# Allegro board IMC-IO_A-IN_A2.brd (continued)
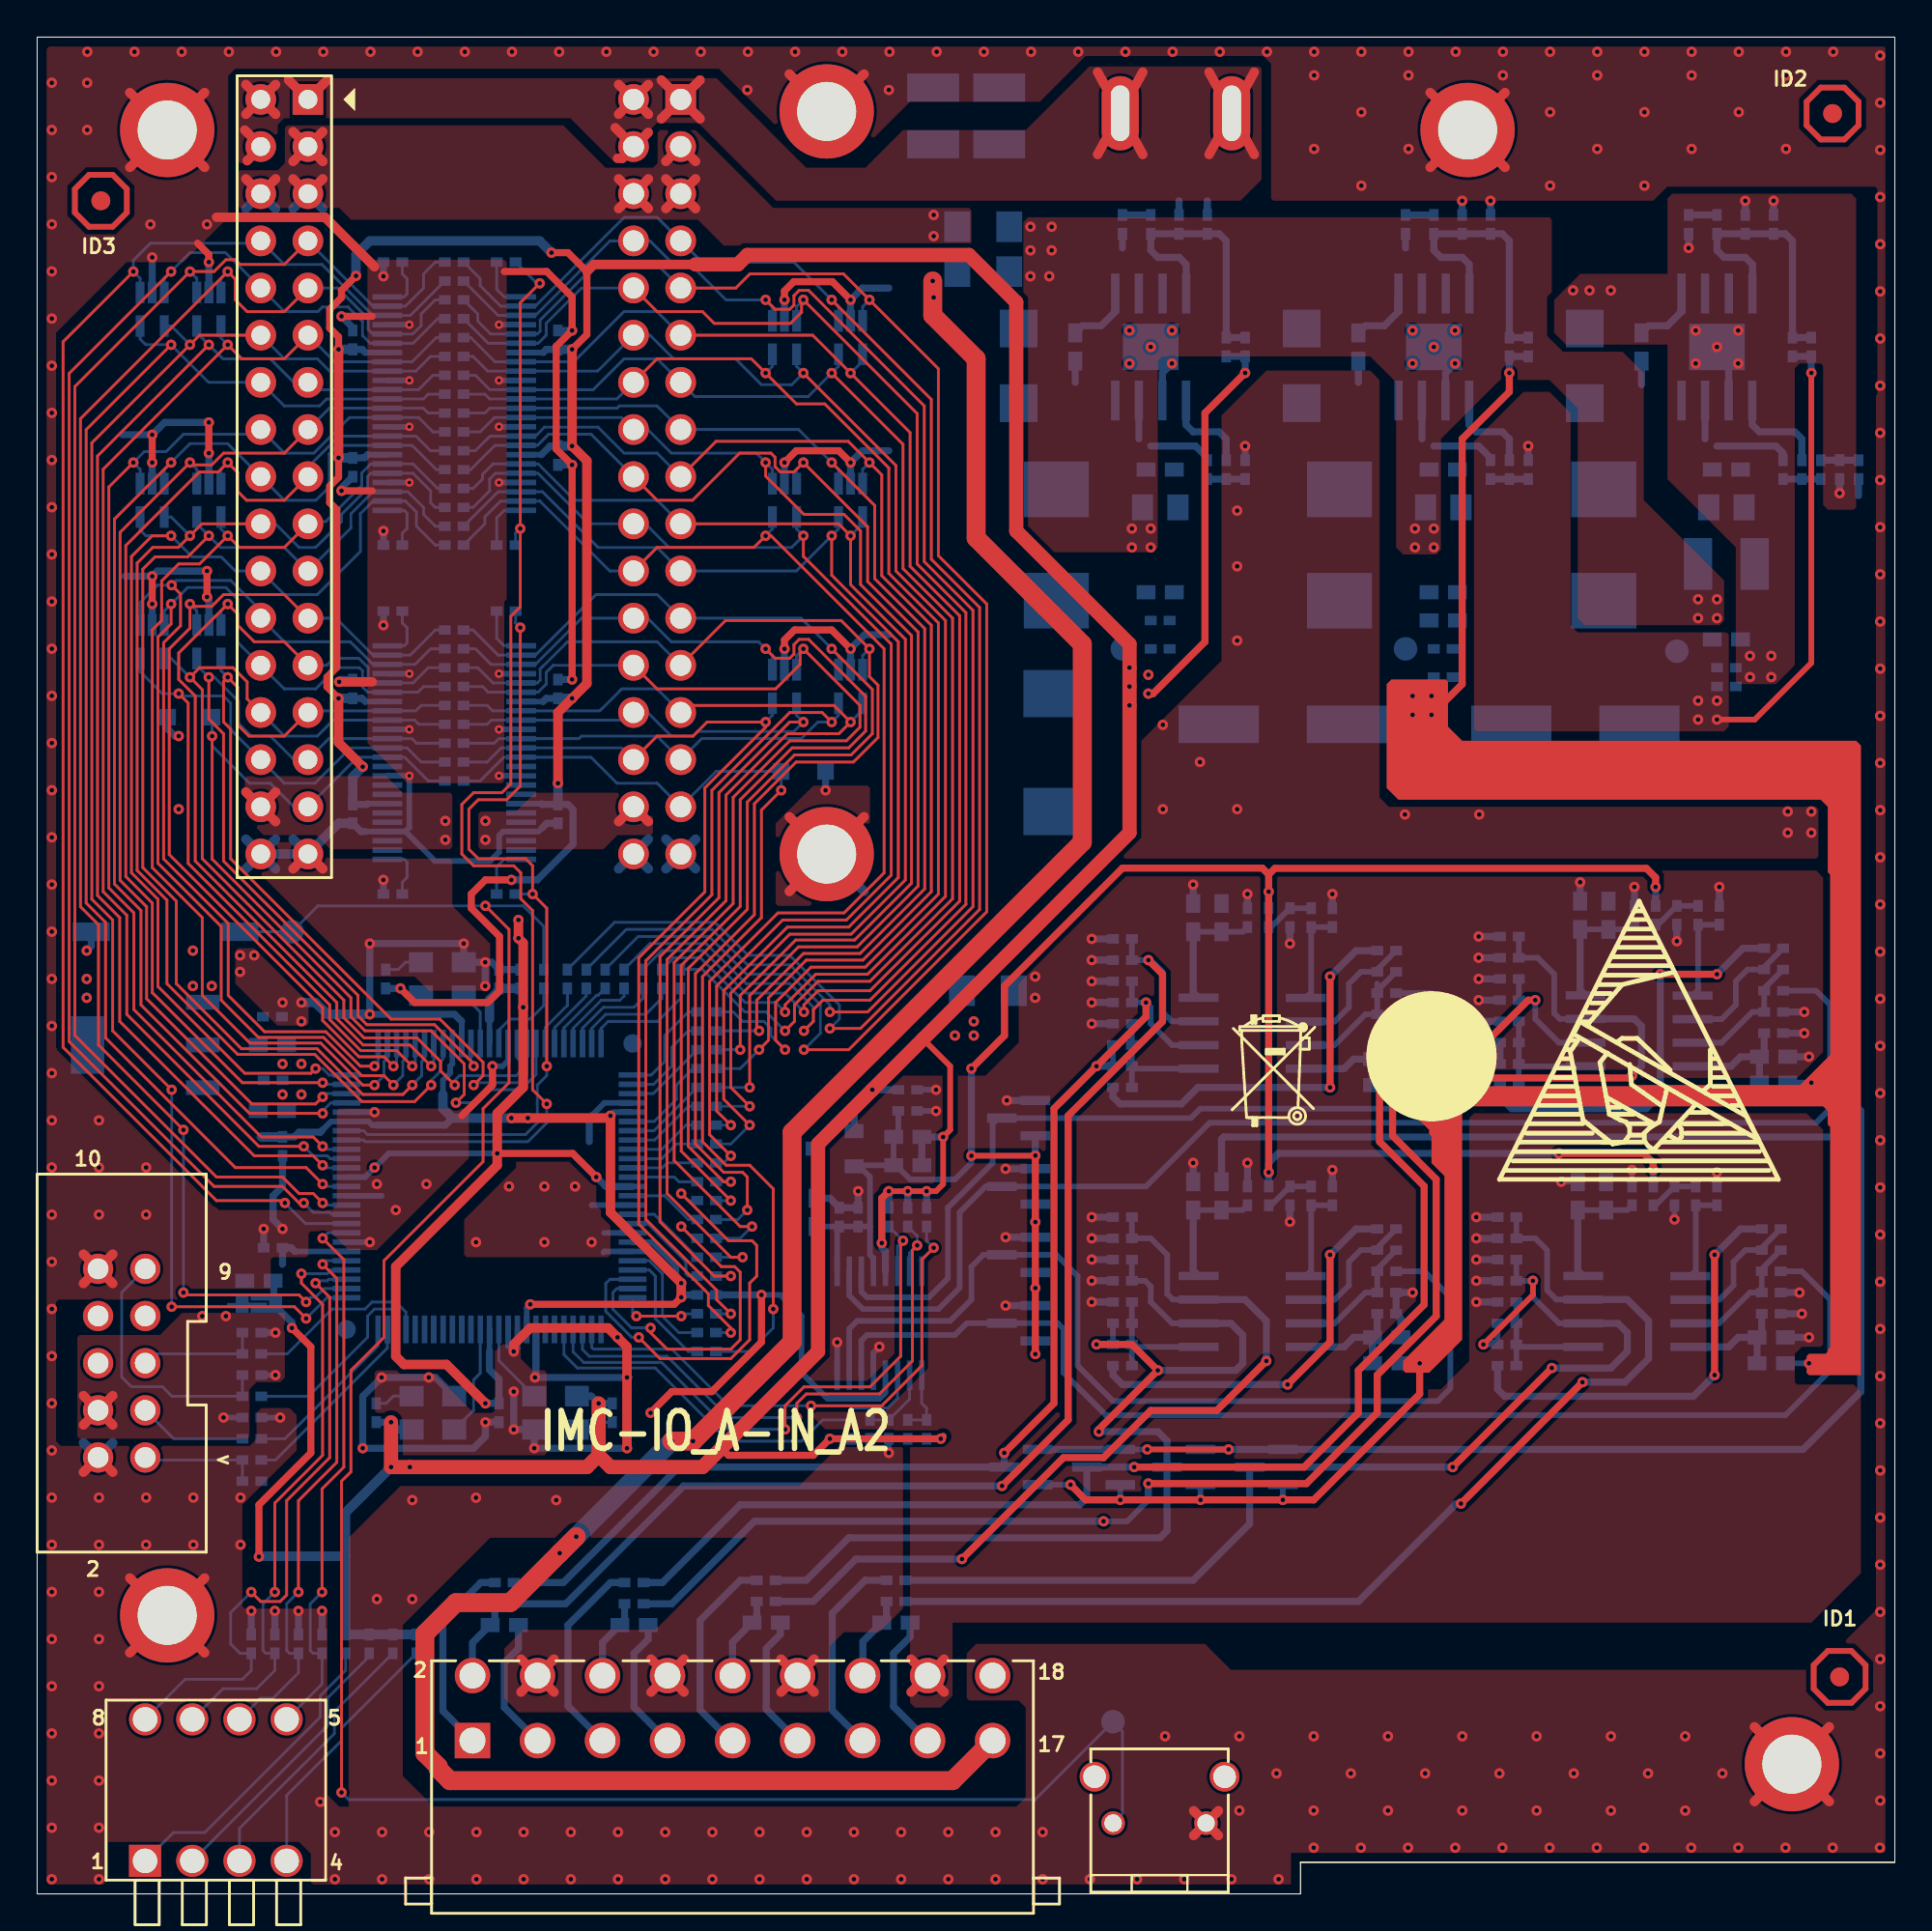
[diagram p0: board, top side]
## Footprints (pads in the part's own frame, mm; a bottom-side part is the same pattern mirrored in y, then rotated)
AEC8_5X8_5-H10_5
  rect 4.318x2.032 smd: 1(-3.45,0) 2(3.45,0)
BUTTON_SPST_SMT
  rect 1.999x1.001 smd: 1(-4.201,0) 2(3.8,0)
C0402
  rect 0.64x0.51 smd: 1(-0.508,0) 2(0.508,0)
C0603
  rect 1.016x0.762 smd: 1(-0.762,0) 2(0.762,0)
C0805
  rect 1.143x1.397 smd: 1(-0.953,0) 2(0.953,0)
C1210
  rect 1.524x2.794 smd: 1(-1.524,0) 2(1.524,0)
CAP_CASE_D
  rect 2.54x3.556 smd: 1(3.175,0) 2(-3.175,0)
CON18-3_5-34_3X13_6-H15_2
  rect 1.905x1.905 hole 1.397: 1(-14,-1.905)
  round 1.905 hole 1.397: 2(-14,1.595) 3(-10.5,-1.905) 4(-10.5,1.595) 5(-7,-1.905) 6(-7,1.595) 7(-3.5,-1.905) 8(-3.5,1.595) 9(0,-1.905) 10(0,1.595) 11(3.5,-1.905) 12(3.5,1.595) 13(7,-1.905) 14(7,1.595) 15(10.5,-1.905) 16(10.5,1.595) 17(14,-1.905) 18(14,1.595)
CON_2D54_2X5_TH_BOX
  round 1.626 hole 1.118: 1(5.08,1.27) 2(5.08,-1.27) 3(2.54,1.27) 4(2.54,-1.27) 5(0,1.27) 6(0,-1.27) 7(-2.54,1.27) 8(-2.54,-1.27) 9(-5.08,1.27) 10(-5.08,-1.27)
CON_BUTTON_SPST_TH_90
  round 1.27 hole 0.94: 1(-2.5,0) 2(2.5,0)
  round 1.6 hole 1.219: 3(3.5,2.5) 4(-3.5,2.5)
FEMALE_HEADER_17X2P_254MM
  rect 1.651x1.651 hole 1.016: 1(0,0)
  round 1.651 hole 1.016: 2(-2.54,0) 3(0,-2.54) 4(-2.54,-2.54) 5(0,-5.08) 6(-2.54,-5.08) 7(0,-7.62) 8(-2.54,-7.62) 9(0,-10.16) 10(-2.54,-10.16) 11(0,-12.7) 12(-2.54,-12.7) 13(0,-15.24) 14(-2.54,-15.24) 15(0,-17.78) 16(-2.54,-17.78) 17(0,-20.32) 18(-2.54,-20.32) 19(0,-22.86) 20(-2.54,-22.86) 21(0,-25.4) 22(-2.54,-25.4) 23(0,-27.94) 24(-2.54,-27.94) 25(0,-30.48) 26(-2.54,-30.48) 27(0,-33.02) 28(-2.54,-33.02) 29(0,-35.56) 30(-2.54,-35.56) 31(0,-38.1) 32(-2.54,-38.1) 33(0,-40.64) 34(-2.54,-40.64)
HD2X17-2_54-50_8X9_1MM-S
  rect 1.651x1.651 hole 1.143: 1(-20.32,-1.27)
  round 1.651 hole 1.143: 2(-20.32,1.27) 3(-17.78,-1.27) 4(-17.78,1.27) 5(-15.24,-1.27) 6(-15.24,1.27) 7(-12.7,-1.27) 8(-12.7,1.27) 9(-10.16,-1.27) 10(-10.16,1.27) 11(-7.62,-1.27) 12(-7.62,1.27) 13(-5.08,-1.27) 14(-5.08,1.27) 15(-2.54,-1.27) 16(-2.54,1.27) 17(0,-1.27) 18(0,1.27) 19(2.54,-1.27) 20(2.54,1.27) 21(5.08,-1.27) 22(5.08,1.27) 23(7.62,-1.27) 24(7.62,1.27) 25(10.16,-1.27) 26(10.16,1.27) 27(12.7,-1.27) 28(12.7,1.27) 29(15.24,-1.27) 30(15.24,1.27) 31(17.78,-1.27) 32(17.78,1.27) 33(20.32,-1.27) 34(20.32,1.27)
L7D3X6D6X2D8MM
  rect 3x3.5 smd: 1(-3,0) 2(3,0)
L0603
  rect 1.016x0.762 smd: 1(-0.762,0) 2(0.762,0)
METAL_DOME
  oval 2x4 hole 1x3: 1(0,0) 2(6,0)
MHOLE_C200D125
  round 5.08 hole 3.175: 1(0,0)
QFP_100P_50_1600X1600X160
  round 1 smd: (-7.7,-7.7) (7.7,7.7)
  rect 1.5x0.3 smd: 1(-7.7,6) 2(-7.7,5.5) 3(-7.7,5) 4(-7.7,4.5) 5(-7.7,4) 6(-7.7,3.5) 7(-7.7,3) 8(-7.7,2.5) 9(-7.7,2) 10(-7.7,1.5) 11(-7.7,1) 12(-7.7,0.5) 13(-7.7,0) 14(-7.7,-0.5) 15(-7.7,-1) 16(-7.7,-1.5) 17(-7.7,-2) 18(-7.7,-2.5) 19(-7.7,-3) 20(-7.7,-3.5) 21(-7.7,-4) 22(-7.7,-4.5) 23(-7.7,-5) 24(-7.7,-5.5) 25(-7.7,-6) 51(7.7,-6) 52(7.7,-5.5) 53(7.7,-5) 54(7.7,-4.5) 55(7.7,-4) 56(7.7,-3.5) 57(7.7,-3) 58(7.7,-2.5) 59(7.7,-2) 60(7.7,-1.5) 61(7.7,-1) 62(7.7,-0.5) 63(7.7,0) 64(7.7,0.5) 65(7.7,1) 66(7.7,1.5) 67(7.7,2) 68(7.7,2.5) 69(7.7,3) 70(7.7,3.5) 71(7.7,4) 72(7.7,4.5) 73(7.7,5) 74(7.7,5.5) 75(7.7,6)
  rect 0.3x1.5 smd: 26(-6,-7.7) 27(-5.5,-7.7) 28(-5,-7.7) 29(-4.5,-7.7) 30(-4,-7.7) 31(-3.5,-7.7) 32(-3,-7.7) 33(-2.5,-7.7) 34(-2,-7.7) 35(-1.5,-7.7) 36(-1,-7.7) 37(-0.5,-7.7) 38(0,-7.7) 39(0.5,-7.7) 40(1,-7.7) 41(1.5,-7.7) 42(2,-7.7) 43(2.5,-7.7) 44(3,-7.7) 45(3.5,-7.7) 46(4,-7.7) 47(4.5,-7.7) 48(5,-7.7) 49(5.5,-7.7) 50(6,-7.7) 76(6,7.7) 77(5.5,7.7) 78(5,7.7) 79(4.5,7.7) 80(4,7.7) 81(3.5,7.7) 82(3,7.7) 83(2.5,7.7) 84(2,7.7) 85(1.5,7.7) 86(1,7.7) 87(0.5,7.7) 88(0,7.7) 89(-0.5,7.7) 90(-1,7.7) 91(-1.5,7.7) 92(-2,7.7) 93(-2.5,7.7) 94(-3,7.7) 95(-3.5,7.7) 96(-4,7.7) 97(-4.5,7.7) 98(-5,7.7) 99(-5.5,7.7) 100(-6,7.7)
R0402
  rect 0.64x0.51 smd: 1(-0.508,0) 2(0.508,0)
R0603
  rect 1.016x0.762 smd: 1(-0.762,0) 2(0.762,0)
R1206
  rect 1.397x1.651 smd: 1(-1.397,0) 2(1.397,0)
SH0603
  rect 0.15x0.9 smd: 1(-0.8,0) 2(0.8,0)
SMA
  rect 2.032x2.032 smd: 1(-2.007,0) 2(2.007,0)
SMD_3225
  rect 1.3x1.1 smd: 1(-1.15,-0.9) 2(1.15,-0.9) 3(1.15,0.9) 4(-1.15,0.9)
SOD323
  rect 0.889x0.889 smd: 1(-1.194,0) 2(1.194,0)
SON8_DDA8
  rect 2.149x0.45 smd: 1(-2.88,1.91) 2(-2.88,0.64) 3(-2.88,-0.64) 4(-2.88,-1.91) 5(2.88,-1.9) 6(2.88,-0.63) 7(2.88,0.64) 8(2.88,1.91)
  rect 2.499x3 smd: 9(0,0)
SOP_8P_127_500X600X175
  rect 2.149x0.45 smd: 1(-2.88,1.91) 2(-2.88,0.64) 3(-2.88,-0.64) 4(-2.88,-1.91) 5(2.88,-1.9) 6(2.88,-0.63) 7(2.88,0.64) 8(2.88,1.91)
SOT23-3_DBZ3
  rect 1.6x0.5 smd: 1(0.9,-0.95) 2(0.9,0.95) 3(-0.9,0)
SOT23_3P_304X264X112
  rect 0.762x1.016 smd: 1(-0.95,-1.05) 2(0.95,-1.05) 3(0,1.05)
SOT223-4_DCY4
  rect 1.8x0.8 smd: 1(-3.1,2.3) 2(-3.1,0) 3(-3.1,-2.3)
  rect 1.8x3.1 smd: 4(3.1,0)
SOT353
  rect 0.483x1.168 smd: 1(-0.65,-0.9) 2(0,-0.9) 3(0.65,-0.9) 4(0.65,0.9) 5(-0.65,0.9)
SW8-2_54-11_82X12_1-H9_7
  rect 1.727x1.727 hole 1.321: 1(-3.81,-3.81)
  round 1.727 hole 1.321: 2(-1.27,-3.81) 3(1.27,-3.81) 4(3.81,-3.81) 5(3.81,3.81) 6(1.27,3.81) 7(-1.27,3.81) 8(-3.81,3.81)
TP50
  round 1.27 smd: 1(0,0)
TSSOP48_DGG48
  rect 1.6x0.3 smd: 1(-3.6,5.75) 2(-3.6,5.25) 3(-3.6,4.75) 4(-3.6,4.25) 5(-3.6,3.75) 6(-3.6,3.25) 7(-3.6,2.75) 8(-3.6,2.25) 9(-3.6,1.75) 10(-3.6,1.25) 11(-3.6,0.75) 12(-3.6,0.25) 13(-3.6,-0.25) 14(-3.6,-0.75) 15(-3.6,-1.25) 16(-3.6,-1.75) 17(-3.6,-2.25) 18(-3.6,-2.75) 19(-3.6,-3.25) 20(-3.6,-3.75) 21(-3.6,-4.25) 22(-3.6,-4.75) 23(-3.6,-5.25) 24(-3.6,-5.75) 25(3.6,-5.75) 26(3.6,-5.25) 27(3.6,-4.75) 28(3.6,-4.25) 29(3.6,-3.75) 30(3.6,-3.25) 31(3.6,-2.75) 32(3.6,-2.25) 33(3.6,-1.75) 34(3.6,-1.25) 35(3.6,-0.75) 36(3.6,-0.25) 37(3.6,0.25) 38(3.6,0.75) 39(3.6,1.25) 40(3.6,1.75) 41(3.6,2.25) 42(3.6,2.75) 43(3.6,3.25) 44(3.6,3.75) 45(3.6,4.25) 46(3.6,4.75) 47(3.6,5.25) 48(3.6,5.75)
TSSOP_16P_65_633X790X199MM
  rect 1.6x0.3 smd: 1(-2.8,2.275) 2(-2.8,1.625) 3(-2.8,0.975) 4(-2.8,0.325) 5(-2.8,-0.325) 6(-2.8,-0.975) 7(-2.8,-1.625) 8(-2.8,-2.275) 9(2.8,-2.275) 10(2.8,-1.625) 11(2.8,-0.975) 12(2.8,-0.325) 13(2.8,0.325) 14(2.8,0.975) 15(2.8,1.625) 16(2.8,2.275)
unnamed#2
  round 1.016 smd: 1(0,0)

## Nets
AGND: C88.1 C89.2 C90.2 C91.2 C92.2 C93.2 C94.2 C96.2 C97.2 C98.2 C99.2 C100.2 C101.2 C102.2 C103.2 C105.2 C106.2 C107.2 C108.2 C109.2 C110.2 C111.2 C112.2 C114.2 C115.2 C116.2 C117.2 C118.2 C119.2 C120.2 C121.2 C123.2 C124.2 C125.2 C126.2 C127.2 C128.2 D24.1 D26.1 D28.1 D30.1 J2.16 R209.1 R214.2 R220.2 R221.2 R223.2 R228.2 R234.2 R235.2 R237.2 R242.2 R248.2 R249.2 R251.2 R256.2 R262.2 R263.2 R265.2 U25.3(GND) U26.5(AGND) U26.8(REFN)
GND: C2.2 C4.2 C5.2 C6.2 C7.2 C8.2 C9.2 C11.2 C12.2 C13.2 C14.2 C15.2 C16.2 C17.2 C18.2 C19.2 C20.2 C21.2 C22.2 C23.2 C24.2 C25.2 C26.2 C27.2 C28.2 C29.2 C62.2 C63.2 C65.2 C67.2 C70.2 C71.2 C72.2 C73.2 C75.2 C76.1 C80.2 C81.1 C82.1 C83.1 C84.2 C85.2 C86.2 C87.1 CON1.2 CON1.10 D1.1(ANODE) D18.2 D19.2 D20.1(ANODE) H1.1 H2.1 H3.1 H4.1 H5.1 H6.1 J2.4 J2.8 J2.12 J3.33 J3.34 J4.33 J4.34 L3.2 OSC1.2(GND) OSC2.2(GND) OSC3.2(GND) P1.8(GND#8) P1.10(GND#10) P1.11(GND#11) P1.32(GND#32) P1.37(GND#37) P1.46(GND#46) P1.60(GND#60) P1.65(GND#65) P1.79(GND#79) P1.90(GND#90) P1.93(GND#93) P1.95(GND#95) R4.2 R5.2 R6.2 R9.2 R42.2 R43.2 R44.2 R45.2 R134.1 R137.1 R139.1 R141.1 R162.2 R163.2 R164.2 R167.1 R173.1 R207.1 R208.1 R209.2 RST1.2 SW1.1 TP5.1 U1.6(GND) U1.9(PWPD) U2.1(GND/ADJ) U7.4(GND#4) U7.10(GND#10) U7.15(GND#15) U7.21(GND#21) U7.28(GND#28) U7.34(GND#34) U7.39(GND#39) U7.45(GND#45) U8.4(GND#4) U8.10(GND#10) U8.15(GND#15) U8.21(GND#21) U8.28(GND#28) U8.34(GND#34) U8.39(GND#39) U8.45(GND#45) U9.2 U10.2 U11.2 U12.2 U13.2 U14.2 U15.2 U16.2 U17.2 U18.2 U19.2 U20.2 U22.6(GND) U22.9(PWPD) U26.4(DGND)
GND_24V: C62.1 C63.1 J3.1 J3.2 J3.4 J4.1 J4.2 J4.4 J5.1 J5.2
VDD_1V8: C13.1 C14.1 C18.1 C19.1 C20.1 P1.13(VCCINT#13) P1.39(VCCINT#39) P1.63(VCCINT#63) P1.88(VCCINT#88) U2.2(VOUT) U2.4(TAB)
VDD_3V3: C2.1 C3.1 C4.1 C5.1 C6.1 C22.1 C23.1 C24.1 C25.1 C26.1 C27.1 C28.1 C29.1 C88.2 D22.1 FB1.1 FB2.1 L1.2 OSC1.4(VDD) OSC2.4(VDD) OSC3.4(VDD) R1.1 R35.1 R36.2 R37.2 R38.2 R39.1 R40.1 R41.1 R201.1 R202.1 R203.1 R204.1 R205.2 R206.1 SH2.1 TP1.1 U7.7(VCCB#7) U7.18(VCCB#18) U7.31(VCCA#31) U7.42(VCCA#42) U8.7(VCCB#7) U8.18(VCCB#18) U8.31(VCCA#31) U8.42(VCCA#42) U25.1(IN) U26.13(DVDD)
VDD_3V3_FPGA: C11.1 C12.1 C15.1 C16.1 C17.1 C21.1 CON1.4 D22.2 P1.9(VCCIO1#9) P1.31(VCCIO1#31) P1.45(VCCIO1#45) P1.59(VCCIO2#59) P1.80(VCCIO2#80) P1.94(VCCIO2#94) R7.2 R8.2 SH2.2 U2.3(VIN)
VDD_5V_MAIN: J3.32 J4.32
VDD_24V: J3.3 J3.5 J3.6 J4.3 J4.5 J4.6 R199.1
VDD_24V_IO: J2.17 R200.1
VDD_24V_MAIN: C7.1 C9.1 C65.1 C70.1 C75.1 C80.1 C84.1 R2.1 R160.1 R166.1 R199.2 R200.2 U1.7(VIN) U22.7(VIN) U24.7(VIN)
VDD_+12V: C66.1 C71.1 C72.1 C73.1 C85.1 C86.1 D23.2 D25.2 D27.2 D29.2 FB4.2 FB6.2 FB8.2 FB10.2 L2.2 R161.1 TP4.1
VDD_-12V: C77.2 C81.2 C82.2 C83.2 C87.2 D21.1(ANODE) D23.1 D25.1 D27.1 D29.1 FB3.2 FB5.2 FB7.2 FB9.2 R168.2 R169.2 R172.2 U24.6(GND) U24.9(PWPD)
VIN0+: J2.1 R212.2
VIN1+: J2.5 R226.2
VIN2+: J2.9 R240.2
VIN3+: J2.13 R254.2
1DIR: P1.43(IO_1_43/DEV_OE/DIFFIO_B7P) R145.1 R147.1
2DIR: P1.44(IO_1_44/DEV_CLRN/DIFFIO_B7N) R140.1 R148.1
12MHZ: OSC1.3(OUT) P1.12(IO_1_12/CLK0)
25MHZ: OSC2.3(OUT) P1.14(IO_1_14/CLK1)
48MHZ: OSC3.3(OUT) P1.62(IO_2_62/CLK2)
ADC_DRDY: P1.4(IO_1_4/DIFFIO_L2P) R204.2 U26.14(D\R\D\Y\)
ADC_RST: P1.5(IO_1_5/DIFFIO_L2N) R203.2 U26.3(R\E\S\E\T\)
ADC_SCL: P1.2(IO_1_2/DIFFIO_L1P) R201.2 U26.16(SCL)
ADC_SDA: P1.3(IO_1_3/DIFFIO_L1N) R202.2 U26.15(SDA)
AIN0: D24.3 R216.1 U26.11(AIN0)
AIN1: D26.3 R230.1 U26.10(AIN1)
AIN2: D28.3 R244.1 U26.7(AIN2)
AIN3: D30.3 R258.1 U26.6(AIN3)
COM: J2.18
DEV_ADD0: P1.28(IO_1_28/DIFFIO_B2P) R45.1 SW2.8(B5)
DEV_ADD1: P1.29(IO_1_29/DIFFIO_B2N) R44.1 SW2.7(B6)
DEV_ADD2: P1.30(IO_1_30) R43.1 SW2.6(A6)
DEV_ADD3: P1.33(IO_1_33/DIFFIO_B3P) R42.1 SW2.5(A5)
EX_ADD0: J4.26 R20.2 R153.2 U8.6(1B4) U20.3
EX_ADD1: J4.27 R22.2 R154.2 U8.8(1B5) U19.4
EX_ADD2: J4.28 R24.2 R155.2 U8.9(1B6) U20.4
EX_ADD3: J4.29 R26.2 R156.2 U8.11(1B7) U19.5
EX_ADD4: J4.30 R28.2 R157.2 U8.12(1B8) U20.5
EX_ADD5: D19.1 J4.31 R30.2 R158.2 U8.13(2B1)
EX_CS: J4.23 R17.2 R150.2 U8.2(1B1) U19.1
EX_DATA0: J4.7 R21.2 R126.2 U7.2(1B1) U11.1
EX_DATA1: J4.8 R23.2 R127.2 U7.3(1B2) U12.1
EX_DATA2: J4.9 R25.2 R128.2 U7.5(1B3) U11.3
EX_DATA3: J4.10 R27.2 R129.2 U7.6(1B4) U12.3
EX_DATA4: J4.11 R29.2 R130.2 U7.8(1B5) U11.4
EX_DATA5: J4.12 R31.2 R131.2 U7.9(1B6) U12.4
EX_DATA6: J4.13 R32.2 R132.2 U7.11(1B7) U11.5
EX_DATA7: J4.14 R33.2 R133.2 U7.12(1B8) U12.5
EX_DATA8: J4.15 R34.2 R135.2 U7.13(2B1) U15.1
EX_DATA9: J4.16 R10.2 R136.2 U7.14(2B2) U16.1
EX_DATA10: J4.17 R11.2 R138.2 U7.16(2B3) U15.3
EX_DATA11: J4.18 R12.2 R142.2 U7.17(2B4) U16.3
EX_DATA12: J4.19 R13.2 R143.2 U7.19(2B5) U15.4
EX_DATA13: J4.20 R14.2 R144.2 U7.20(2B6) U16.4
EX_DATA14: J4.21 R15.2 R146.2 U7.22(2B7) U15.5
EX_DATA15: J4.22 R16.2 R149.2 U7.23(2B8) U16.5
EX_RD: J4.24 R18.2 R151.2 U8.3(1B2) U20.1
EX_WR: J4.25 R19.2 R152.2 U8.5(1B3) U19.3
F_EX_ADD0: J3.26 P1.54(IO_2_54/DIFFIO_R6P) R153.1 U8.43(1A4) U18.3
F_EX_ADD1: J3.27 P1.67(IO_2_67/DIFFIO_R3P) R154.1 U8.41(1A5) U17.4
F_EX_ADD2: J3.28 P1.66(IO_2_66/DIFFIO_R3N) R155.1 U8.40(1A6) U18.4
F_EX_ADD3: J3.29 P1.61(IO_2_61) R156.1 U8.38(1A7) U17.5
F_EX_ADD4: J3.30 P1.55(IO_2_55/DIFFIO_R5N) R157.1 U8.37(1A8) U18.5
F_EX_ADD5: D18.1 J3.31 P1.68(IO_2_68) R158.1 U8.36(2A1)
F_EX_CS: J3.23 P1.53(IO_2_53/DIFFIO_R6N) R150.1 U8.47(1A1) U17.1
F_EX_DATA0: J3.7 P1.36(IO_1_36/DIFFIO_B4N) R126.1 U7.47(1A1) U9.1
F_EX_DATA1: J3.8 P1.34(IO_1_34/DIFFIO_B3N) R127.1 U7.46(1A2) U10.1
F_EX_DATA2: J3.9 P1.27(IO_1_27/DIFFIO_B1N) R128.1 U7.44(1A3) U9.3
F_EX_DATA3: J3.10 P1.35(IO_1_35/DIFFIO_B4P) R129.1 U7.43(1A4) U10.3
F_EX_DATA4: J3.11 P1.41(IO_1_41/DIFFIO_B6P) R130.1 U7.41(1A5) U9.4
F_EX_DATA5: J3.12 P1.26(IO_1_26/DIFFIO_B1P) R131.1 U7.40(1A6) U10.4
F_EX_DATA6: J3.13 P1.40(IO_1_40/DIFFIO_B5N) R132.1 U7.38(1A7) U9.5
F_EX_DATA7: J3.14 P1.38(IO_1_38/DIFFIO_B5P) R133.1 U7.37(1A8) U10.5
F_EX_DATA8: J3.15 P1.48(IO_1_48/DIFFIO_B8N) R135.1 U7.36(2A1) U13.1
F_EX_DATA9: J3.16 P1.42(IO_1_42/DIFFIO_B6N) R136.1 U7.35(2A2) U14.1
F_EX_DATA10: J3.17 P1.49(IO_1_49) R138.1 U7.33(2A3) U13.3
F_EX_DATA11: J3.18 P1.47(IO_1_47/DIFFIO_B8P) R142.1 U7.32(2A4) U14.3
F_EX_DATA12: J3.19 P1.52(IO_2_52) R143.1 U7.30(2A5) U13.4
F_EX_DATA13: J3.20 P1.58(IO_2_58/DIFFIO_R4P) R144.1 U7.29(2A6) U14.4
F_EX_DATA14: J3.21 P1.56(IO_2_56/DIFFIO_R5P) R146.1 U7.27(2A7) U13.5
F_EX_DATA15: J3.22 P1.50(IO_1_50) R149.1 U7.26(2A8) U14.5
F_EX_RD: J3.24 P1.51(IO_1_51) R151.1 U8.46(1A2) U18.1
F_EX_WR: J3.25 P1.57(IO_2_57/DIFFIO_R4N) R152.1 U8.44(1A3) U17.3
F_JTAG_TCK: P1.24(TCK) R266.1
F_JTAG_TDI: P1.23(TDI) R269.1
F_JTAG_TDO: P1.25(TDO) R267.1
F_JTAG_TMS: P1.22(TMS) R268.1
IIC_ADD0: R205.1 R207.2 U26.1(A0)
IIC_ADD1: R206.2 R208.2 U26.2(A1)
IIN0+: J2.3 R219.1
IIN1+: J2.7 R233.1
IIN2+: J2.11 R247.1
IIN3+: J2.15 R261.1
RESET IN: R159.1 RST1.1 SW1.2 TP2.1 TP3.1
V/IIN0-: J2.2 R219.2 R222.2
V/IIN1-: J2.6 R233.2 R236.2
V/IIN2-: J2.10 R247.2 R250.2
V/IIN3-: J2.14 R261.2 R264.2
VREF_ADC: C89.1 C90.1 C91.1 C92.1 D24.2 D26.2 D28.2 D30.2 FB1.2 FB2.2 R217.2 R231.2 R245.2 R259.2 U25.2(OUT) U26.9(REFP) U26.12(AVDD)
N12518223: C100.1 C101.1 FB4.1 U27.8(VCC+)
N12518251: C95.1 C96.1 D23.3 R212.1 R213.2 R214.1 U27.2(1IN-)
N12518351: C99.1 R222.1 R223.1 U27.3(1IN+)
N12518743: C95.2 C97.1 R213.1 R215.2 U27.1(1OUT)
N12518865: C93.1 C94.1 FB3.1 U27.4(VCC-)
N12518887: R210.2 R215.1
N12532089: R218.1 R221.1 U27.5(2IN+)
N12532253: R217.1 R218.2 R220.1
N12532462: R210.1 R211.2 U27.6(2IN-)
N12532476: C98.1 R211.1 R216.2 U27.7(2OUT)
N12534114: C104.2 C106.1 R227.1 R229.2 U28.1(1OUT)
N12534118: C104.1 C105.1 D25.3 R226.1 R227.2 R228.1 U28.2(1IN-)
N12534134: C109.1 C110.1 FB6.1 U28.8(VCC+)
N12534254: C108.1 R236.1 R237.1 U28.3(1IN+)
N12534496: C102.1 C103.1 FB5.1 U28.4(VCC-)
N12534752: R224.2 R229.1
N12534854: R232.1 R235.1 U28.5(2IN+)
N12534908: R231.1 R232.2 R234.1
N12535022: R224.1 R225.2 U28.6(2IN-)
N12535042: C107.1 R225.1 R230.2 U28.7(2OUT)
N12538562: C113.2 C115.1 R241.1 R243.2 U29.1(1OUT)
N12538566: C113.1 C114.1 D27.3 R240.1 R241.2 R242.1 U29.2(1IN-)
N12538582: C118.1 C119.1 FB8.1 U29.8(VCC+)
N12538702: C117.1 R250.1 R251.1 U29.3(1IN+)
N12538944: C111.1 C112.1 FB7.1 U29.4(VCC-)
N12539200: R238.2 R243.1
N12539302: R246.1 R249.1 U29.5(2IN+)
N12539356: R245.1 R246.2 R248.1
N12539470: R238.1 R239.2 U29.6(2IN-)
N12539490: C116.1 R239.1 R244.2 U29.7(2OUT)
N12539666: C122.1 C123.1 D29.3 R254.1 R255.2 R256.1 U30.2(1IN-)
N12539678: C122.2 C124.1 R255.1 R257.2 U30.1(1OUT)
N12539690: C127.1 C128.1 FB10.1 U30.8(VCC+)
N12539814: C126.1 R264.1 R265.1 U30.3(1IN+)
N12540068: C120.1 C121.1 FB9.1 U30.4(VCC-)
N12540324: R252.2 R257.1
N12540414: R260.1 R263.1 U30.5(2IN+)
N12540468: R259.1 R260.2 R262.1
N12540582: R252.1 R253.2 U30.6(2IN-)
N12540610: C125.1 R253.1 R258.2 U30.7(2OUT)
N12573767: R2.2 R3.2 R5.1
N12573771: C10.2 R6.1
N12573779: C3.2 C8.1 C10.1 R1.2 R4.1 U1.4(VSNS)
N12573801: C1.1 U1.1(BOOT)
N12573805: C1.2 D1.2(CATHODE) L1.1 U1.8(PH)
N12573855: R3.1 U1.5(ENA)
N12573911: R160.2 R164.1 R165.2
N12573913: C68.2 R163.1
N12573919: C66.2 C67.1 C68.1 R161.2 R162.1 U22.4(VSNS)
N12573941: C69.1 U22.1(BOOT)
N12573945: C69.2 D20.2(CATHODE) L2.1 U22.8(PH)
N12573995: R165.1 U22.5(ENA)
N12574023: R170.2 R172.1 R173.2
N12574025: R166.2 R170.1 R171.2
N12574027: C78.2 R169.1
N12574031: C76.2 C77.1 C78.1 R167.2 R168.1 U24.4(VSNS)
N12574055: C79.2 D21.2(CATHODE) L3.1 U24.8(PH)
N12574061: C79.1 U24.1(BOOT)
N12574107: R171.1 U24.5(ENA)
N12576633: CON1.9 R8.1 R269.2
N12576635: CON1.5 R7.1 R268.2
N12576637: CON1.1 R9.1 R266.2
N12576723: P1.81(IO_2_81) R11.1
N12576725: P1.83(IO_2_83/DIFFIO_T7N) R13.1
N12576727: P1.78(IO_2_78/DIFFIO_T8P) R10.1
N12576729: P1.84(IO_2_84/DIFFIO_T7P) R14.1
N12576801: OSC1.1(CE) R36.1
N12576819: OSC2.1(CE) R37.1
N12576847: OSC3.1(CE) R38.1
N12576923: R35.2 SW2.1(A1)
N12576925: R39.2 SW2.2(A2)
N12576927: R40.2 SW2.3(A3)
N12576929: R41.2 SW2.4(A4)
N12576947: P1.98(IO_2_98/DIFFIO_T2N) R18.1
N12576949: P1.91(IO_2_91/DIFFIO_T4N) R22.1
N12576951: P1.96(IO_2_96/DIFFIO_T3N) R28.1
N12576953: P1.87(IO_2_87/DIFFIO_T5N) R17.1
N12576955: P1.99(IO_2_99/DIFFIO_T2P) R20.1
N12576957: P1.100(IO_2_100/DIFFIO_T1N) R26.1
N12576959: P1.86(IO_2_86/DIFFIO_T6P) R16.1
N12576961: P1.89(IO_2_89/DIFFIO_T5P) R19.1
N12576963: P1.85(IO_2_85/DIFFIO_T6N) R15.1
N12576965: P1.92(IO_2_92/DIFFIO_T4P) R24.1
N12576967: P1.97(IO_2_97/DIFFIO_T3P) R30.1
N12577019: P1.74(IO_2_74/DIFFIO_R1P) R31.1
N12577021: P1.75(IO_2_75) R32.1
N12577023: P1.77(IO_2_77/DIFFIO_T8N) R34.1
N12577025: P1.76(IO_2_76) R33.1
N12577027: P1.73(IO_2_73/DIFFIO_R1N) R29.1
N12577029: P1.71(IO_2_71/DIFFIO_R2N) R25.1
N12577031: P1.69(IO_2_69) R21.1
N12577033: P1.72(IO_2_72/DIFFIO_R2P) R27.1
N12577035: P1.70(IO_2_70) R23.1
N12577037: P1.64(IO_2_64/CLK3) R159.2
N12581072: R145.2 U7.1(1DIR)
N12581074: R147.2 U7.24(2DIR)
N12581258: R139.2 U8.25(2NOE)
N12581262: R140.2 U8.1(1DIR)
N12581264: R148.2 U8.24(2DIR)
N12581296: R134.2 U7.48(1NOE)
N12581298: R141.2 U7.25(2NOE)